# KiCad board System-Controller.kicad_pcb (continued)
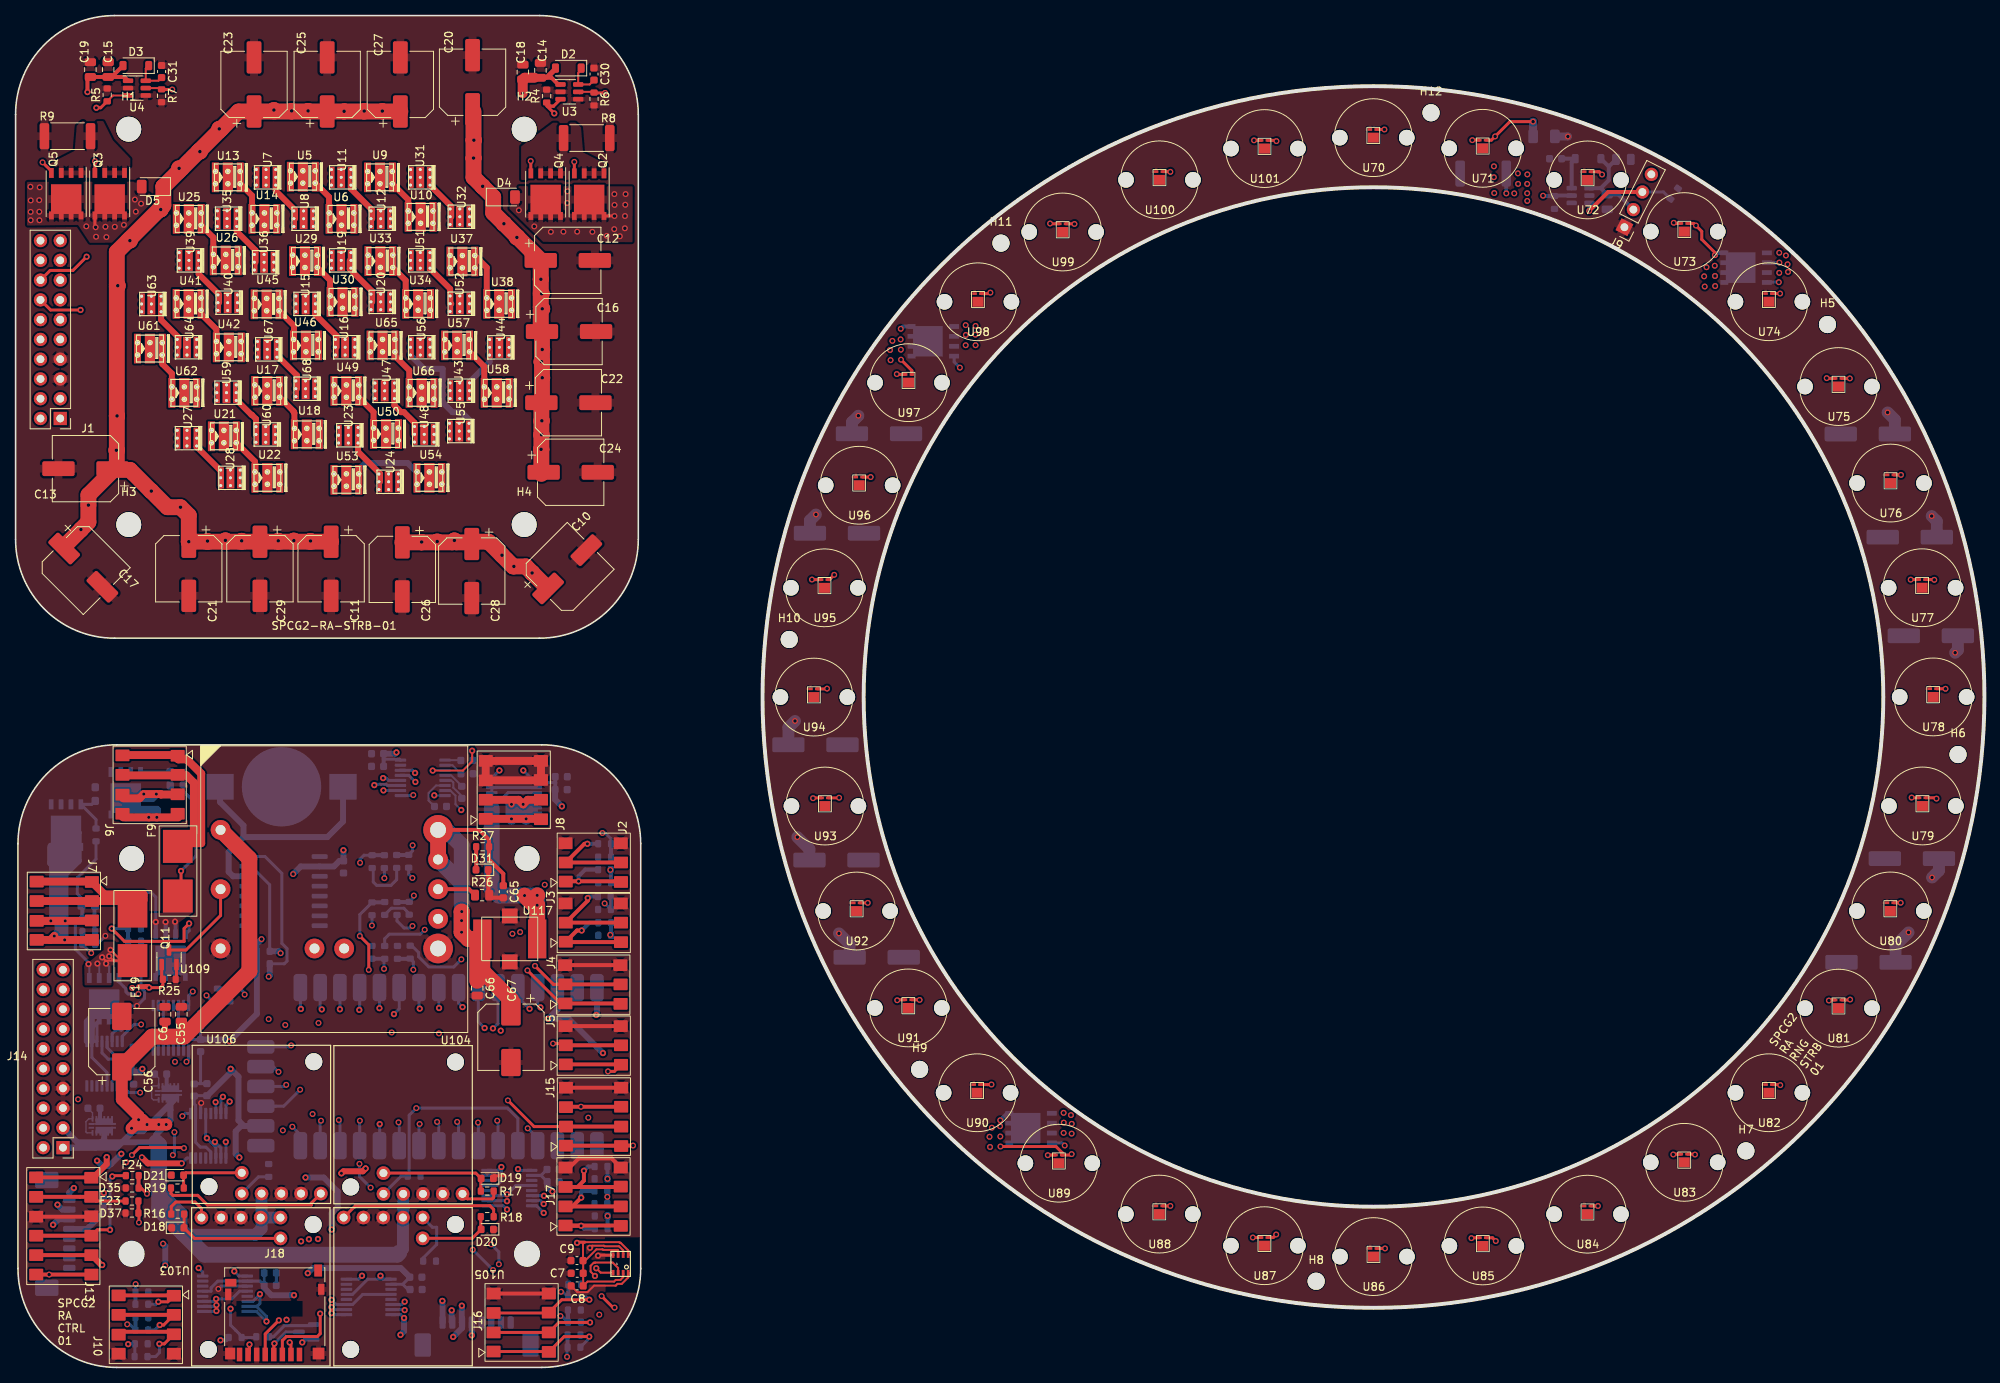
[diagram p0: board, top side]
## Routing (per net, layer and track width the routed paths; a pad name or vN(x,y) marks a point on that pad's centre or on a via; arc(x,y) is an arc through that point) (continued)
/LEDController/5V_reg: length 225.9
  Top w0.508: J13.1 9.69,24.42
  Top w0.762: v1(11.71,27.02) 11.71,26.13 9.95,24.37 J13.1 ; v1(41.86,24.94) 42.11,25.2 44.6,25.2 v1(44.97,25.56)
  In1.Cu w0.762: v1(14.21,26.36) 21.32,19.25 21.32,8.85 24.26,5.91 v1(32.24,5.91) 33.19,4.95 34.22,4.95 34.41,5.14 57.58,5.14 v1(58.61,4.12) ; v1(41.86,24.94) 41.45,24.54 41.45,20.64 38.25,20.64 35.68,18.06 35.68,13.7 v1(31.39,9.42) ; v1(74.61,45.29) 74.61,42 60.49,27.88 47.03,27.88 45.14,25.99 45.14,25.76 44.97,25.59 v1(44.97,25.56)
  In2.Cu w0.762: v1(11.34,22.41) 11.34,26.11 11.71,26.48 v1(11.71,27.02) ; J14.15 13.8,38.31 13.8,29.11 v1(11.71,27.02) ; v1(11.71,27.02) 12.36,26.36 v1(14.21,26.36) 14.56,26.36 21.63,19.29 21.63,9.81 25.16,6.28 25.17,6.29 27.49,6.29 27.5,6.28 28.25,6.28 v1(31.39,9.42) 31.39,6.76 v1(32.24,5.91)
  Bottom w0.381: 30.79,7.84 31.03,7.84 31.39,8.2 v1(31.39,9.42) 31.39,9.39 30.49,8.49 U112.14 ; 30.79,7.84 30.93,7.84 32.24,6.54 v1(32.24,5.91) 30.95,7.19 U112.16 ; 30.79,7.84 U112.15
  Bottom w0.762: U108.32 74.69,45.37 v1(74.61,45.29) ; v1(11.34,22.41) 11.34,19.95 9.17,17.79 J11.5 ; v1(58.61,4.12) J12.5
/LEDController/12V_ENABLE: length 117.4
  Top w0.381: Q11.1 18.77,50.02 R25.1 18.92,49.12 18.59,48.79 15.88,48.79 15.72,48.96 15.82,49.05 16.77,49.05 16.79,49.07 17.1,49.07 17.12,49.05 17.12,48.83 v1(17.15,48.8)
  In3.Cu w0.381: 16.73,46.48 28.36,34.85 43.2,34.85 v1(46.78,31.27) 45.99,30.48 45.99,24.57 44.84,23.42 44.84,22.99 42.93,21.07 38.96,21.07 35.81,17.92 29.87,17.92 14.93,2.98 14.44,2.98 ; 16.73,46.48 17.15,46.9 v1(17.15,48.8) ; 16.73,46.48 7.35,37.1 4.79,37.1 J14.8
  Bottom w0.381: F22.2 15.33,1.42 D32.1 14.48,3.03 14.44,2.98 ; U108.12 46.78,28.52 v1(46.78,31.27)
  vias: v1(14.47,2.99)
/LEDController/GND: length 151.5
  Top w0.25: 77.33,10.74 77.1,10.51 74.31,10.51 73.47,9.67 72.17,9.67 C8.2
  Top w0.254: U2.1 78.71,11.57 77.87,10.74 77.33,10.74 ; U2.7 78.06,15.03 77.52,15.57 75.66,15.57 75.58,15.64 74.05,15.64 v1(73.78,15.37)
  Top w0.381: 61.5,24.68 61.46,24.63 62.89,24.63 ; U2.5 74.9,14.43 v1(74.83,14.36) ; R25.2 20.67,49.96 Q11.2
  Top w0.508: J17.4 76.57,26.86 72.34,26.86 71.16,25.68 J17.4 ; D31.1 60.72,60.81 R26.2 61.19,60.35 C65.2 ; J4.3 J4.3 ; J15.4 J15.4 ; J16.4 J16.4 ; J5.3 J5.3 ; J13.3 9.69,19.37
  Top w1.016: J8.4 J8.3 67.45,75.43 J8.3 J8.4 J8.4
  Bottom w0.178: U111.14 17.71,34.37 17.48,34.6 17.48,36.06 17.59,36.17 U111.1 18.39,37.17 C4.1 17.73,37.69 ; C5.1 9.89,32.7 U125.1 9.4,31.94 9.04,31.57 9.04,30.27 9.17,30.14 U125.14
  Bottom w0.381: C52.2 23.77,36.51 23.73,36.47 ; D8.2 50.57,58.31 49.88,59 48.27,59 D10.2 ; v2(23.85,33.98) 23.78,33.91 U115.11 ; R15.2 16.12,48.77 16.56,48.33 16.56,47.42 v2(15.6,46.45) 14.95,46.45 14.6,46.1 14.6,44.35 13.59,43.34 12.88,43.34 12.4,42.87 U1.6 ; D22.2 45.95,64.03 45.95,62.38 46.39,61.94 48.23,61.94 48.96,62.67 D24.2 ; C57.2 C58.2 ; U116.11 U116.6 U116.5 U116.4 ; U112.11 26.41,10.44 v2(26.05,10.09) ; U107.11 20.93,45.85 U107.5 ; 23.73,36.47 C63.2 ; 23.73,36.47 22.99,36.47 C64.2 ; R3.2 10.47,54.38 v2(11.54,55.45)
/LEDController/Vin: length 184.1
  Top w0.762: C6.1 19.2,42.58 19.28,42.5 ; C55.1 21.3,42.82 21.62,42.5
  Top w1.524: v1(19.36,31.21) 19.36,31.21 v1(18.4,31.21) v1(16.89,31.21) ; v1(16.89,31.21) 16.27,31.83 v1(15.81,31.83) 15.81,32.29 13.65,34.45 C56.1 ; v1(16.89,31.21) 15.38,31.21 v1(14.9,30.73)
  Top w2.032: U109.1 30.03,65.37 30.03,50.92 21.62,42.5 17.54,42.5 C56.1
  Bottom w0.762: U111.10 16.37,30.36 15.12,30.36 13.01,28.24 J14.1 10.32,28.24 11.39,29.31 U125.13 ; U111.13 19.89,33.06 ; 19.89,33.06 U111.11 ; 19.89,33.06 19.89,31.74 v1(19.36,31.21) 18.08,29.93 18.08,28.94 7.93,28.94 J14.3
  Bottom w1.524: 49.29,14.75 49.76,15.22 U105.4 49.8,19.29 U104.4 ; 18.08,28.94 18.08,23.06 21.34,19.8 21.34,17.05 30.81,17.05 31.61,17.85 31.61,19.13 U103.4 ; U106.4 31.6,19.35 U103.4 ; U103.4 U103.5
  Bottom w2.032: 49.29,14.75 49.03,14.49 24.27,14.49 18.44,20.32 18.44,28.58 18.08,28.94
/VioletRingIllumination/5V: length 12.7
  Bottom w0.508: 204.67,154.3 204.68,154.3 C34.1 ; 204.67,154.3 204.67,152.54 203.66,151.52 ; 204.67,154.3 D6.2 ; U69.1 203.66,151.52 ; 203.66,151.52 C36.1 205.9,150.7 J9.2
/DarkfieldColorAndIRIllumination/TRIG_COLOR: length 97.3
  Top w0.254: 69.11,162.06 U3.3
  Top w0.381: J1.14 4.5,135.87 v1(8.35,135.87) 8.36,135.88 ; 68.28,162.06 v1(69.21,161.13) ; 68.28,162.06 68.28,162.48 68.7,162.06 69.11,162.06 ; 68.28,162.06 69.11,162.06 ; 69.11,162.06 U3.3
  In4.Cu w1.016: v1(8.35,135.87) 11.62,135.87 15.41,139.66 61.8,139.66 61.8,144.68 60.83,145.65 60.83,150.6 63.39,153.16 62.52,154.03 62.52,160.79 63.65,161.92 68.42,161.92 v1(69.21,161.13)
/DarkfieldColorAndIRIllumination/TRIG_IR: length 48.4
  Top w0.254: U4.3 12.52,163.43 R5.1
  Top w0.381: R5.1 10.94,161.85 v1(10.38,161.85) ; v1(9.13,142.71) 7.37,140.95 4.44,140.95 J1.16
  In4.Cu w1.016: v1(10.38,161.85) 11.47,162.94 16.67,162.94 19.08,160.53 19.08,156.69 17.56,155.17 17.56,145.26 18.06,144.76 16.01,142.71 v1(9.13,142.71)
/DarkfieldColorAndIRIllumination/VAnodeColor: length 72.4
  Top w2.032: C26.1 52.12,106.01 v2(52.17,106.06) 52.21,106.01 54.06,106.01 v2(54.17,106.12) 54.27,106.01 56.13,106.01 v2(56.38,106.26) 56.62,106.01 58.75,106.01 58.83,106.09 60.75,106.09 v2(62.49,104.36) 63.93,102.92 v2(64.02,102.92) 65.55,102.92 66.36,102.11 v2(66.36,102.08) 66.39,102.08 68.31,100.16 ; 58.83,161.38 58.83,157.74 v2(58.88,157.69) 58.83,157.64 58.83,155.4 v2(58.84,155.39) 58.83,155.38 58.83,152.91 59.98,151.76 v2(60.01,151.76) 60.01,151.73 D4.1 61.36,148.35 62.74,146.97 v2(62.74,146.95) 62.76,146.95 64.4,145.31 v2(64.4,145.19) 64.52,145.19 C12.1 67.46,139.84 v2(67.49,139.82) 67.46,139.8 67.46,138.08 v2(67.59,137.96) 67.46,137.84 67.46,136.21 v2(67.66,136.02) 67.46,135.83 67.46,133.26 C16.1 67.63,130.82 v2(67.66,130.79) 67.63,130.76 67.63,129.3 v2(67.56,129.23) 67.63,129.16 67.63,127.19 v2(67.66,127.16) 67.63,127.13 67.63,124.04 C22.1 67.55,121.69 v2(67.61,121.63) 67.55,121.57 67.55,119.87 v2(67.58,119.84) 67.55,119.81 67.55,118.01 v2(67.51,117.97) 67.55,117.93 67.55,114.81
/DarkfieldColorAndIRIllumination/VAnodeIR: length 121.4
  Top w2.032: 12.6,115.32 12.58,115.32 9.36,112.1 v2(9.36,110.8) 9.36,108.62 v2(8.4,107.66) 8.4,107.65 6.33,105.59 ; 12.6,115.32 14.7,115.32 17.42,112.6 v2(17.44,112.6) 19.51,110.53 v2(21.19,110.53) 22.25,109.47 v2(22.25,106.09) 24.57,106.09 v2(24.66,106.18) 24.74,106.09 26.78,106.09 v2(26.96,106.27) 27.13,106.09 28.93,106.09 v2(29.05,106.21) 29.16,106.09 C29.1 33.63,106.09 v2(33.75,106.21) 33.86,106.09 35.6,106.09 v2(35.75,106.24) 35.89,106.09 37.79,106.09 v2(37.89,106.19) 37.98,106.09 C11.1 ; 12.6,115.32 13.01,115.73 13.01,117.79 v2(12.95,117.85) 13.01,117.91 13.01,122.23 v2(13.04,122.26) 13.01,122.29 13.01,138.87 v2(13.13,138.99) 13.01,139.11 13.01,143.33 14.46,144.78 v2(14.69,144.78) 14.69,145.01 18.46,148.78 v2(18.65,148.78) 18.65,148.97 18.99,149.31 18.99,151.71 D5.1 21.01,153.73 v2(21.01,154.07) 21.35,154.07 23.5,156.22 v2(23.68,156.22) 23.68,156.4 26.17,158.89 v2(26.17,159.14) 26.42,159.14 28.65,161.38 C23.1 33,161.38 v2(33.19,161.56) 33.37,161.38 35.39,161.38 v2(35.47,161.45) 35.54,161.38 37.5,161.38 v2(37.58,161.45) 37.65,161.38 C25.1 42.18,161.38 v2(42.21,161.4) 42.23,161.38 44.73,161.38 v2(44.79,161.43) 44.84,161.38 47.06,161.38 v2(47.12,161.43) 47.17,161.38 C27.1
/LEDController/A3: length 65.2
  In2.Cu w0.381: v2(70.85,1.36) 70.79,1.42 70.79,5.29 73.05,7.55 74.87,7.55 77.08,9.76 77.08,27.4 75.58,28.9 51.79,28.9 v2(49.2,31.49)
  Bottom w0.381: F13.2 70.85,2.53 v2(70.85,1.36) ; v2(49.2,31.49) 49.29,31.4 U108.11
  Bottom w0.508: D29.1 F13.2
/LEDController/A4: length 60.8
  In2.Cu w0.381: v2(51.91,31.28) 53.74,29.44 66.32,29.44 66.37,29.49 66.85,29.49 67.44,30.08 75.53,30.08 77.66,27.95 77.66,9.45 v2(74.99,6.78) 74.93,6.78
  In3.Cu w0.381: v2(74.99,6.78) 70.16,6.78 v2(69.99,6.61)
  Bottom w0.381: U108.10 51.83,31.2 v2(51.91,31.28) ; v2(69.99,6.61) 70.16,6.61 F14.2
  Bottom w0.508: D27.1 70.97,5.82 F14.2
/LEDController/A5: length 61.2
  Top w0.381: v2(75.29,9.16) 76.76,7.69 v2(76.95,7.69)
  In2.Cu w0.381: v2(76.95,7.69) 78.37,9.11 78.37,28.55 76.27,30.65 67.23,30.65 66.62,30.03 66.14,30.03 66.1,29.99 55.71,29.99 v2(54.15,31.55)
  In3.Cu w0.381: v2(75.29,9.16) 74.73,9.72 v2(70.07,9.72)
  Bottom w0.381: U108.9 54.37,31.33 v2(54.15,31.55) ; F15.2 70.29,9.72 v2(70.07,9.72)
  Bottom w0.508: F15.2 71.01,9.04 D25.1
/LEDController/GPIO_0: length 80.4
  In3.Cu w0.381: v2(14.99,48.76) 15.66,49.43 16.61,49.43 16.73,49.56 17.46,49.56 17.91,49.11 17.91,48.96 27.08,39.79 28.5,39.79 30.31,37.98 v2(33.78,37.98)
  In4.Cu w0.381: v2(51.01,67.09) 50.77,66.85 44.37,66.85 43.32,65.8 43.32,63.18 37.93,57.79 36.24,57.79 36.24,52.02 33.78,49.57 v2(33.78,37.98) ; J14.19 6.12,51.07 12.67,51.07 v2(14.99,48.76)
  Bottom w0.381: U108.37 33.11,38.65 v2(33.78,37.98) ; v2(51.01,67.09) 51.01,66.37 F10.2
  Bottom w0.508: D24.1 50.48,65.84 F10.2
/LEDController/GPIO_1: length 55.2
  In4.Cu w0.381: J14.20 4.79,49.86 12.5,49.86 15.17,47.19 16.14,47.19 21.31,42.02 ; 21.31,42.02 23.53,42.02 v2(29.43,47.91) ; 21.31,42.02 27.02,36.31 v2(34.77,36.31)
  Bottom w0.381: v2(29.43,47.91) 29.43,48.11 28.86,48.68 D23.1 ; U108.36 34.57,36.11 v2(34.77,36.31)
  Bottom w0.508: D23.1 27.52,48.68 F11.2
/LEDController/GPIO_2: length 44
  In4.Cu w0.381: v2(36.56,35.69) 36.56,44.34 40.46,48.24 40.46,57.42 44.26,61.22 v2(44.26,64.84)
  Bottom w0.381: v2(44.26,64.84) 44.26,65.31 44.76,65.82 D22.1 ; v2(36.56,35.69) 34.44,33.57 U108.35 33.45,33.57
  Bottom w0.508: 45.81,65.82 F12.2
/LEDController/GPIO_3: length 51.7
  In3.Cu w0.381: v1(44.16,45.94) 44.16,44.47 47.72,40.91 60.56,40.91 75.25,26.22 75.25,20.27 v2(76.06,19.46)
  Bottom w0.381: v1(44.16,45.94) 44.21,45.99 U108.20
  Bottom w0.508: v2(76.06,19.46) F16.2
/LEDController/GPIO_4: length 63.7
  In3.Cu w0.381: v2(76.02,21.92) 77.24,20.71 77.24,19.01 76.72,18.49 75.69,18.49 74.38,19.8 74.38,25.02 67.78,31.62 67.78,31.78 61.95,37.61 56.05,37.61 54.02,39.64 47.93,39.64 46.19,41.38 v2(35.41,41.38)
  Bottom w0.381: v2(35.41,41.38) 35.22,41.19 U108.38
  Bottom w0.508: D28.1 v2(76.02,21.92) F17.2
/LEDController/GPIO_5: length 106.8
  In2.Cu w0.381: v1(27.62,7.54) 32.72,12.65 32.72,21.72 32.91,21.91 32.91,22.9 33.65,23.64 39.94,23.64 40.8,24.5 40.8,25.62 40.85,25.62 45.4,30.17 45.4,40.3 46.75,41.65 v1(46.75,46.16)
  In3.Cu w0.381: v1(46.75,46.16) 46.88,46.03 46.88,42.57 47.69,41.76 67.56,41.76 76.47,32.85 76.47,24.66 v2(76.04,24.24)
  Bottom w0.381: v1(27.62,7.54) 27.62,5.43 29.03,4.02 R28.1 30.82,3.84 R29.2 ; U108.21 v1(46.75,46.16)
  Bottom w0.508: F18.2 76.03,24.25 v2(76.04,24.24)
/LEDController/GPIO_6: length 71.6
  Top w0.381: v1(35.21,3.22) 35.37,3.05 J18.2
  In1.Cu w0.381: v1(35.21,3.22) 35.21,3.32 34.43,4.1 28.9,4.1 28.31,4.69 23.79,4.69 17.77,10.71 v2(15.43,10.71)
  In4.Cu w0.381: v2(15.43,10.71) 20.43,15.71 20.43,26.41 21.46,27.45 21.99,27.45 22.37,27.82 37.56,27.82 v2(41.53,31.79)
  Bottom w0.381: v2(15.43,10.71) 15.43,9.72 D34.1 ; U108.14 41.67,31.65 v2(41.53,31.79)
  Bottom w0.508: D34.1 F20.2
/LEDController/LED1_EN: length 82.3
  Top w0.381: v2(21.63,28.18) 21.56,28.25 15.92,28.25 v2(14.95,27.28)
  In4.Cu w0.381: v2(51.48,33.32) 27.05,33.32 21.91,28.18 v2(21.63,28.18) ; J14.2 4.79,29.48 4.79,29.48 4.83,29.48 12.76,29.48 14.95,27.29 v2(14.95,27.28)
  Bottom w0.381: U104.5 49.54,24.58 R20.2 50.56,24.76 50.56,32.41 v2(51.48,33.32) 63.2,33.32 64.53,31.99 U108.5
/LEDController/LED2_EN: length 66.9
  In3.Cu w0.381: v2(45.61,23.1) 45.61,21.75 46.57,20.8 50.76,20.8 U105.5 ; v2(44.18,26.16) 40.33,26.16 35.56,30.93 v2(35.56,30.93) 35.29,31.2 34.03,31.2 34,31.17 22.72,31.17 21.04,29.5 4.83,29.5 J14.4
  Bottom w0.381: U105.5 53.55,18.01 54.1,18.01 54.1,15.8 52.36,14.07 52.36,13.66 ; v2(44.18,26.16) 44.18,24.54 v2(45.61,23.1) ; U108.16 36.59,29.9 v2(35.56,30.93)
/LEDController/LED3_EN: length 72.8
  In2.Cu w0.381: 32.29,25.57 38.16,31.44 v2(38.16,32.56) ; 32.29,25.57 32.49,25.77 39.77,25.77 44.23,30.23 v2(44.23,31.7) ; 32.29,25.57 U106.5
  In3.Cu w0.381: v2(38.16,32.56) 37.76,32.96 23.84,32.96 23.55,33.24 8.09,33.24 6.96,32.11 4.75,32.11 J14.6
  Bottom w0.381: R22.2 31.2,24.49 U106.5 ; v2(44.23,31.7) 44.21,31.68 U108.13
/LEDController/PowerInput/INA260/IN+: length 8.5
  Bottom w0.381: U107.3 18.98,43.49 20.28,42.19 U107.12 ; 18.33,50.69 19.92,52.28
/LEDController/PowerInput/INA260/IN-: length 3.8
  Bottom w0.178: U111.16 19.59,35.52 U111.2
  Bottom w0.508: C4.2 19.41,36.3 U111.2
/LEDController/PowerInput/INA261/IN+: length 29.6
  Top w0.381: U103.1 23.87,20.44 23.06,21.25 20.59,21.25 20,20.67 R16.2
  In1.Cu w1.524: v1(25.81,7.25) v1(25.81,8.01) 25.81,8.76 v1(25.76,8.81) 25.48,8.81 24.72,9.56 24.72,10.5 24.87,10.65 24.87,18.25 U103.1
  Bottom w0.381: U112.2 25.64,7.84 v1(25.81,8.01) ; U112.1 25.75,7.19 v1(25.81,7.25) ; U112.12 28.77,9.79 27.78,8.81 v1(25.76,8.81) 25.45,8.49 U112.3
/LEDController/PowerInput/INA262/IN+: length 25.4
  Top w0.381: U104.1 58.06,21.66 61.24,21.66 61.42,21.85 R17.2
  In1.Cu w1.524: v1(63.14,20.29) v1(63.14,21.36) v1(63.14,22.24) 61.93,23.45 58.57,23.45 U104.1
  Bottom w0.381: U113.2 63.07,21.42 v1(63.14,21.36) ; U113.12 64.27,23.38 v1(63.14,22.24) 62.97,22.07 U113.3 ; v1(63.14,20.29) 62.65,20.77 U113.1
/LEDController/PowerInput/INA263/IN+: length 46.5
  Top w0.381: R18.2 61.42,20.3 60.94,20.78 43.66,20.78 U105.1
  In1.Cu w1.524: v1(40.57,6.98) 40.58,6.98 v1(40.58,7.75) v1(40.58,8.68) 42.14,10.25 U105.1
  In2.Cu w0.762: 40.58,6.98 v1(40.57,6.98)
  Bottom w0.381: v1(40.57,6.98) 40.77,6.78 U114.1 ; U114.12 44.59,9.38 43.29,8.08 U114.3 41.17,8.08 v1(40.58,8.68) ; v1(40.58,7.75) 40.89,7.43 U114.2
/LEDController/PowerInput/INA264/IN+: length 52.2
  Top w0.381: R19.2 19.96,22.36 20.21,22.11 23.41,22.11 24.65,20.87 37.99,20.87 37.99,21.11 U106.1
  In1.Cu w1.524: U106.1 39.22,26.69 36.93,28.98 v1(27.01,28.98) v1(25.61,28.98) 25.05,28.98 v1(24.57,29.46)
  Bottom w0.381: U115.1 27.03,28.96 v1(27.01,28.98) ; U115.3 25.73,28.3 v1(24.57,29.46) 24.43,29.6 U115.12 ; U115.2 26.38,28.21 v1(25.61,28.98)
/LEDController/PowerInput/INA269/IN+: length 24.2
  Bottom w0.381: Q12.5 10.45,44.27 U1.3 U1.2 9.8,39.83 11.75,37.88 U1.12
  Bottom w0.508: Q12.5 9.8,43.62 U1.2
  Bottom w0.762: U1.2 9.8,45.09 Q12.5 9.15,44.44 U1.1
/LEDController/PowerInput/INA269/IN-: length 3.2
  Bottom w0.178: U125.2 11.09,31.29 U125.16 9.7,31.25
  Bottom w0.508: C5.2 10.84,31.98 U125.3
/LEDController/PowerInput/TDK-i7C1/INA260/IN+: length 30.6
  Top w2.032: v1(65.39,60.63) 66.64,59.38 v1(67.01,59.38) U117.4 ; 67.02,60.66 v1(67.01,60.66)
  Bottom w0.381: U116.3 61.97,72.55 63.27,73.85 U116.12
  Bottom w2.032: v1(67.01,59.38) v1(67.01,60.66) 66.99,60.63 v1(65.39,60.63) 62.09,60.63 61.05,61.67 61.17,61.8 61.17,71.79
/LEDController/PowerInput/TDK-i7C1/Vout: length 37.8
  Top w1.016: J8.1 v1(63.71,70.48) v1(65.59,70.48) 67.45,70.48 J8.1 ; J8.2 64.62,72.93 v1(65.21,72.35) 65.8,72.93 J8.2
  Bottom w0.381: v1(65.21,72.35) 65.42,72.55 65.76,72.55 ; U116.14 66.9,72.35 66.78,72.23 ; U116.14 65.76,72.55 ; U116.14 U116.16 ; 65.76,72.55 65.76,72.4 66.56,71.59 ; 65.76,72.55 66.12,72.55 ; 65.76,72.55 65.76,71.3 ; 65.76,71.3 66.05,71.59 66.56,71.59 ; 65.76,71.3 65.81,71.25 ; 66.61,72.06 65.81,71.25 ; 66.61,72.06 66.12,72.55 ; 66.61,72.06 66.78,72.23 ; 65.81,71.25 64.48,71.25 v1(63.71,70.48) ; 65.81,71.25 U116.16 ; U116.15 64.15,71.9 v1(63.71,72.35) ; 66.78,72.23 66.44,72.23 66.12,72.55 ; 66.56,71.59 U116.16 ; U116.16 66.36,71.25 v1(65.59,70.48)
  Bottom w1.524: v1(65.21,72.35) 65.21,70.86 v1(65.59,70.48) ; v1(63.71,70.48) v1(63.71,72.35)
/LEDController/SCL: length 242.5
  Top w0.254: U2.4 75.17,12.18 v1(74.6,12.74)
  In2.Cu w0.762: v2(32.52,44.75) 32.54,44.73 32.69,44.73 26.42,44.73 21.96,40.27 v2(21.96,39.28)
  In3.Cu w0.381: 74.59,12.73 v1(74.6,12.74)
  In4.Cu w0.381: v2(62.09,13.26) 62.84,12.51 68.27,12.51 68.44,12.68 74.54,12.68 v1(74.6,12.74) ; J14.10 4.84,37.11 6.59,37.11 8.39,35.31 9.1,35.31
  In4.Cu w0.762: v1(65.23,76.71) 67.46,74.48 67.46,72.69 69.96,70.19 69.96,49.73 69.9,49.67 69.9,48.72 v1(67.44,46.26) 67.44,32.73 68.32,31.85 68.32,29.25 v1(64.55,25.48) 63.4,24.33 62.39,24.33 61.1,23.04 v2(61.1,15.82) 57.06,11.78 v1(46.87,11.78) 46.16,11.78 44.99,10.61 29.84,10.61 v1(28.1,12.35) 27.54,11.79 20.54,11.79 v2(19.23,13.1) ; v2(18.95,15.9) 18.95,27.54 20.06,28.65 20.62,28.65 21.43,29.45 v2(21.43,32.29) ; 8.73,35.31 8.77,35.35 18.37,35.35 v2(21.43,32.29) ; v2(21.96,39.28) 21.43,38.75 v2(21.43,32.29) ; v2(32.52,44.75) v2(32.52,50.21)
  Bottom w0.381: U114.5 43.29,9.38 45.24,11.33 U114.9 47.32,11.33 v1(46.87,11.78) ; U112.9 28.7,11.74 v1(28.1,12.35) ; U113.9 64.7,25.32 v1(64.55,25.48) ; 29.77,65.65 32.04,65.65 34.21,63.48 34.21,54.49 34.88,53.82 34.88,52.22 34.52,51.87 R24.1 ; U116.9 66.13,75.8 v1(65.23,76.71) ; v2(62.09,13.26) 62.09,14.83 v2(61.1,15.82) ; v2(16,35.31) 14.56,35.31 U1.9 ; U107.9 22.23,39.56 v2(21.96,39.28) ; v1(67.44,46.26) 67.07,46.63 U108.29 ; U115.9 21.77,32.63 v2(21.43,32.29)
  Bottom w0.762: R24.1 32.65,50.34 v2(32.52,50.21) ; v2(18.95,15.9) 19.23,15.62 v2(19.23,13.1)
/LEDController/SDA: length 269.2
  Top w0.254: v1(74.43,11.76) 73.87,12.31 73.87,13.05 74.27,13.45 74.44,13.45 74.46,13.47 76.72,13.47 77.41,12.78 U2.3
  Top w0.762: v2(16.23,26.98) 16.99,26.22 v2(21.33,26.22)
  In1.Cu w0.381: v2(8.03,34.45) 8.03,35.67 6.54,37.16 5.57,37.16 4.79,37.95 4.79,39.7 J14.12
  In2.Cu w0.381: v2(22.77,48.3) 20.36,48.3 v2(16.13,44.07)
  In2.Cu w0.762: v2(34.05,53.23) 34.57,52.71 34.57,45.58 35.89,44.26 v2(38.92,44.26)
  In4.Cu w0.381: v1(74.43,11.76) 62.1,11.76 v2(61.34,12.52)
  In4.Cu w0.762: 45.15,13.41 44.5,12.76 v1(44.5,11.78) ; 45.15,13.41 57.01,13.41 v2(58.73,15.13) 60.02,16.43 60.02,24.11 61.67,25.75 v1(62.41,25.75) 62.41,28.65 66.03,32.27 v1(66.03,46.08) ; 45.15,13.41 24.2,13.41 ; v2(38.92,44.26) 38.95,44.29 57.34,44.29 59.13,46.08 v1(66.03,46.08) ; 24.2,13.41 23.56,12.77 v1(23.52,12.77) ; 24.2,13.41 23.75,13.41 21.33,15.83 v2(21.33,26.22) ; v2(22.77,48.3) 25.75,51.28 32.1,51.28 v2(34.05,53.23) ; v1(66.03,46.08) 66.03,47.13 68.94,50.04 68.94,69.52 66.45,72.01 66.45,73.51 63.25,76.71 v1(62.16,76.71) ; v2(16.23,26.98) 16.23,27.42 9.29,34.35 8.12,34.35 v2(8.03,34.45)
  Bottom w0.381: v1(44.5,11.78) 44.06,11.33 U114.8 ; v2(58.73,15.13) v2(61.34,12.52) ; v2(16.13,44.07) 15.22,44.07 13.7,42.56 U1.8 ; R23.1 32.65,62.02 30.29,64.38 U110.15 ; 22.23,47.13 U107.8 22.23,47.77 v2(22.77,48.3) ; v1(62.16,76.71) 61.25,75.8 U116.8 ; v2(21.33,26.22) 22.01,26.9 U115.8 ; U108.28 64.53,47.58 v1(66.03,46.08) ; v1(23.52,12.77) 24.04,12.25 U112.8 ; U113.5 61.82,23.38 62.41,23.96 v1(62.41,25.75) 61.98,25.32 U113.8
  Bottom w0.762: v2(34.05,53.23) 33.81,53.47 R23.1
/LEDController/Serial0_RX: length 53.6
  In2.Cu w0.381: v1(47.22,75.72) 49.64,73.31 49.64,38.64 v2(56.73,31.55)
  Bottom w0.381: v2(56.73,31.55) 56.91,31.37 U108.8 ; v1(47.22,75.72) 47.61,75.72 47.91,75.43 U102.12
/LEDController/Serial0_TX: length 60.8
  In2.Cu w0.381: v1(46.09,74.82) 46.09,76.3 46.79,77 48.05,77 50.22,74.83 50.22,40.01 58.77,31.46 v2(59.41,31.46)
  Bottom w0.381: v2(59.41,31.46) 59.45,31.42 U108.7 ; v1(46.09,74.82) 46.2,74.93 47.59,74.93 47.74,74.78 U102.11
/LEDController/Serial1_RX: length 34.3
  In3.Cu w0.381: v2(51.09,73.55) 51.09,69.01 52.52,67.58 52.52,60.07 51.82,59.37 51.82,56.28 51,55.46 51,52.72 54.41,49.32 v1(54.41,46.18)
  Bottom w0.381: v1(54.41,46.18) 54.37,46.22 U108.24 ; U102.9 51.02,73.48 v2(51.09,73.55)
/LEDController/Serial1_TX: length 38.2
  In3.Cu w0.381: v1(51.92,46.1) 49.86,48.16 49.86,58.23 51.94,60.31 51.94,60.95 51.92,60.97 51.92,67.36 49.98,69.3 49.98,74.14 v1(47.26,74.14)
  Bottom w0.381: v1(47.26,74.14) 47.28,74.13 U102.10 ; U108.23 51.83,46.19 v1(51.92,46.1)
/LEDController/Serial2_RX: length 24.7
  In3.Cu w0.381: v2(51.17,60.63) 49.99,60.63 49.27,59.91 49.27,58.27 41.67,50.66 v1(41.67,46.02)
  Bottom w0.381: v2(51.17,60.63) 51.17,60.42 D8.1 ; U108.19 v1(41.67,46.02)
  Bottom w0.508: D8.1 50.54,59.79 F2.2
/LEDController/Serial2_TX: length 22.2
  Top w0.381: v2(45.38,51.08) 45.38,54.28 v2(44.23,55.43)
  In3.Cu w0.381: v1(48.61,45.4) 48.61,47.85 v2(45.38,51.08)
  Bottom w0.381: v2(44.23,55.43) 44.23,58.19 F1.2 ; v1(48.61,45.4) 49.29,46.08 U108.22
  Bottom w0.508: D10.1 47.37,59.76 F1.2
/LEDController/Serial3_RX: length 38.3
  In1.Cu w0.381: v2(54.39,42.92) 48.44,42.92 v2(48.32,43.04)
  In2.Cu w0.381: v2(48.32,43.04) 47.71,43.65 47.71,50.84 v2(47.34,51.21) ; v2(54.39,42.92) 56.01,42.92 65.79,33.14 v2(65.79,30.73)
  Bottom w0.381: U108.4 67.07,29.45 v2(65.79,30.73) ; v2(47.34,51.21) 47.34,52.43 F4.2
  Bottom w0.508: 45.78,52.52 47.41,52.52 F4.2
/LEDController/Serial3_TX: length 30.6
  In2.Cu w0.381: v2(61.88,31.7) 53.03,40.55 53.03,49.58 52.62,49.58 v2(51.1,51.1)
  Bottom w0.381: v2(51.1,51.1) 51.1,52.13 50.69,52.54 ; v2(61.88,31.7) 61.99,31.59 U108.6
  Bottom w0.508: D11.1 50.66,52.51 50.69,52.54
/LEDController/SPI_MISO: length 75.2
  Top w0.381: v1(30.05,2.95) 30.05,1.84 J18.7
  In2.Cu w0.381: v1(34.81,6.13) 34.81,6.93 34.01,7.73 34.01,9.97 35.87,11.83 35.87,12.55 37.69,14.37 v1(37.69,16.47)
  In3.Cu w0.381: v1(34.81,6.13) 34.81,5.6 34.33,5.12 30.71,5.12 30.05,4.46 v1(30.05,2.95)
  In4.Cu w0.381: v1(37.69,16.47) 36.65,17.51 36.65,18.76 37.71,19.83 38.57,19.83 38.62,19.78 39.65,19.78 40.99,21.12 40.99,25.15 42.86,27.02 51.85,27.02 53.25,28.41 53.25,39.85 55.13,39.85 57.99,42.71 58.84,42.71 58.86,42.69 60.97,42.69 61.33,43.05 v1(61.33,43.56)
  Bottom w0.381: v1(61.33,43.56) 61.99,44.22 U108.27 61.99,47.06
/LEDController/SPI_MOSI: length 76.5
  Top w0.381: v1(39.13,6.91) 39.14,6.9 39.14,4.34 38.77,3.97 34.79,3.97 34.27,3.46 J18.3
  In2.Cu w0.381: v1(62.33,43.27) 62.33,44.1 60.13,46.3 v1(57.42,46.3) ; v1(38.85,16.5) 38.85,14.76 36.41,12.33 36.41,11.41 34.76,9.75 34.76,7.89 35.74,6.91 v1(39.13,6.91)
  In4.Cu w0.381: v1(62.33,43.27) 62.28,43.32 62.28,43.33 62.28,42.08 56.67,36.47 54.89,36.47 54.89,28.63 52.73,26.47 46.48,26.47 46.06,26.05 46.06,25.33 45.84,25.33 44.65,24.14 44.65,22.35 43.47,21.17 41.82,21.17 39.85,19.2 39.85,17.5 v1(38.85,16.5)
  Bottom w0.381: U108.25 56.91,46.81 v1(57.42,46.3)
/LEDController/SPI_SCK: length 69.3
  Top w0.381: v1(33.83,6.05) 32.07,4.3 J18.5
  In2.Cu w0.381: v1(36.68,16.2) 35.32,14.85 35.32,12.06 33.08,9.81 33.08,6.8 v1(33.83,6.05)
  In4.Cu w0.381: v1(36.68,16.2) 36.1,16.78 36.1,18.99 37.7,20.59 39.69,20.59 40.45,21.35 40.45,26.08 43.32,28.95 52.69,28.95 52.69,40.07 53.02,40.4 54.46,40.4 57.67,43.61 v1(60.26,43.61)
  Bottom w0.381: v1(60.26,43.61) 59.45,44.42 U108.26
/LEDController/TRIG1: length 84.5
  Top w0.381: D35.1 16.13,23.06 v2(16.88,22.31)
  Top w0.508: D35.1 15.8,24.63 F24.1
  In2.Cu w0.381: v2(34.65,44) 34.65,43.83 34.96,43.52 35.61,43.52 36.29,42.84 36.29,40.03 35.7,39.44 35.7,33.61 34.34,32.25 v2(34.34,30.46)
  In3.Cu w0.381: v2(34.65,44) 34.65,44.06 v1(36.65,46.06) 21.73,46.06 17.69,50.1 12.95,50.1 7.57,44.72 4.79,44.72 J14.14 ; v2(16.88,22.31) 16.88,25.89 19.94,28.95 21.51,28.95 23.02,30.46 v2(34.34,30.46)
  Bottom w0.381: v1(36.65,46.06) 36.59,46.12 U108.17
/LEDController/TRIG2: length 42.8
  In3.Cu w0.381: v1(39.34,46) 38.36,46.98 22.21,46.98 18.24,50.95 11.78,50.95 8.09,47.26 4.79,47.26 J14.16
  Bottom w0.381: v1(39.34,46) 39.13,46.21 U108.18
/LEDController/TRIG3: length 94.3
  Top w0.381: D37.1 15.85,19.77 v2(15.85,18.62)
  Top w0.508: 15.78,21.38 15.78,21.38 D37.1
  In2.Cu w0.381: v2(20.41,30.23) 20.48,30.3 v2(20.48,39.27)
  In3.Cu w0.381: v2(39.24,31.7) 39.19,31.74 33.81,31.74 33.78,31.71 21.89,31.71 v2(20.41,30.23) ; v2(20.21,27.28) 20.21,27.28 20.21,22.98 v2(15.85,18.62)
  In4.Cu w0.381: v2(15.85,18.62) 11.11,18.62 9.41,16.92 9.41,7.2 11.07,5.54 v2(14.34,5.54) ; J14.18 4.75,47.35 6.48,47.35 12.81,41.03 12.81,40.95 18.8,40.95 v2(20.48,39.27)
  Bottom w0.381: v2(39.24,31.7) 39.13,31.59 U108.15 ; F21.2 14.66,5.54 v2(14.34,5.54) ; v2(20.41,30.23) 20.41,27.48 v2(20.21,27.28)
  Bottom w0.508: D33.1 F21.2
/LEDController/VLED1: length 127.6
  Top w0.508: J13.5 J13.5
  Top w0.762: v1(11.13,13.16) 11.02,13.16 J13.5
  In2.Cu w0.762: v1(56.22,3.92) 54.42,2.12 47.11,2.12 45.05,4.18 33.13,4.18 32.99,4.04 27.12,4.04 26.72,4.44 25.94,4.44 25.93,4.43 16.87,4.43 11.13,10.17 v1(11.13,13.16) 10.94,13.16 9.88,14.22 9.88,16.68 8.28,18.28 8.28,18.43 4.92,18.43 v1(4.82,18.33) 4.8,18.33 4.41,18.72 4.41,23.98 10.09,29.66 10.09,34.75 6.44,38.4 J14.9 ; v1(67.89,22.05) 67.89,19.89 v1(67.85,19.85) 65.9,19.85 65.9,18.83 57.33,10.26 v1(57.33,7.93)
  Bottom w0.381: U113.15 67.42,21.42 v1(67.85,21) ; v1(67.89,22.05) 67.86,22.07 U113.14 ; v1(67.85,19.85) 66.92,20.77 U113.16
  Bottom w0.762: v1(57.33,7.93) 57.33,5.8 J12.6 57.36,5.06 v1(56.22,3.92) ; v1(4.82,18.33) 5.52,19.04 J11.6
/LEDController/VLED2: length 103.4
  In1.Cu w0.762: v1(49.91,6.35) 51.21,6.35 52.2,7.34 v1(56.03,7.34)
  In2.Cu w0.762: v1(49.99,8.45) 49.99,4.73 v1(49.45,4.19) 48.44,5.19 35.91,5.19 35.82,5.11 32.75,5.11 32.61,4.96 27.5,4.96 27.1,5.36 25.55,5.36 25.54,5.35 23.48,5.35 20.22,8.62 20.22,18.04 17.35,20.91 v1(5.39,20.91) 5.39,23.57 11.05,29.24 11.05,35.98 J14.11